# Allegro board hdk2_0-hmd-2-pvt-l8-0526p1530.brd (continued)
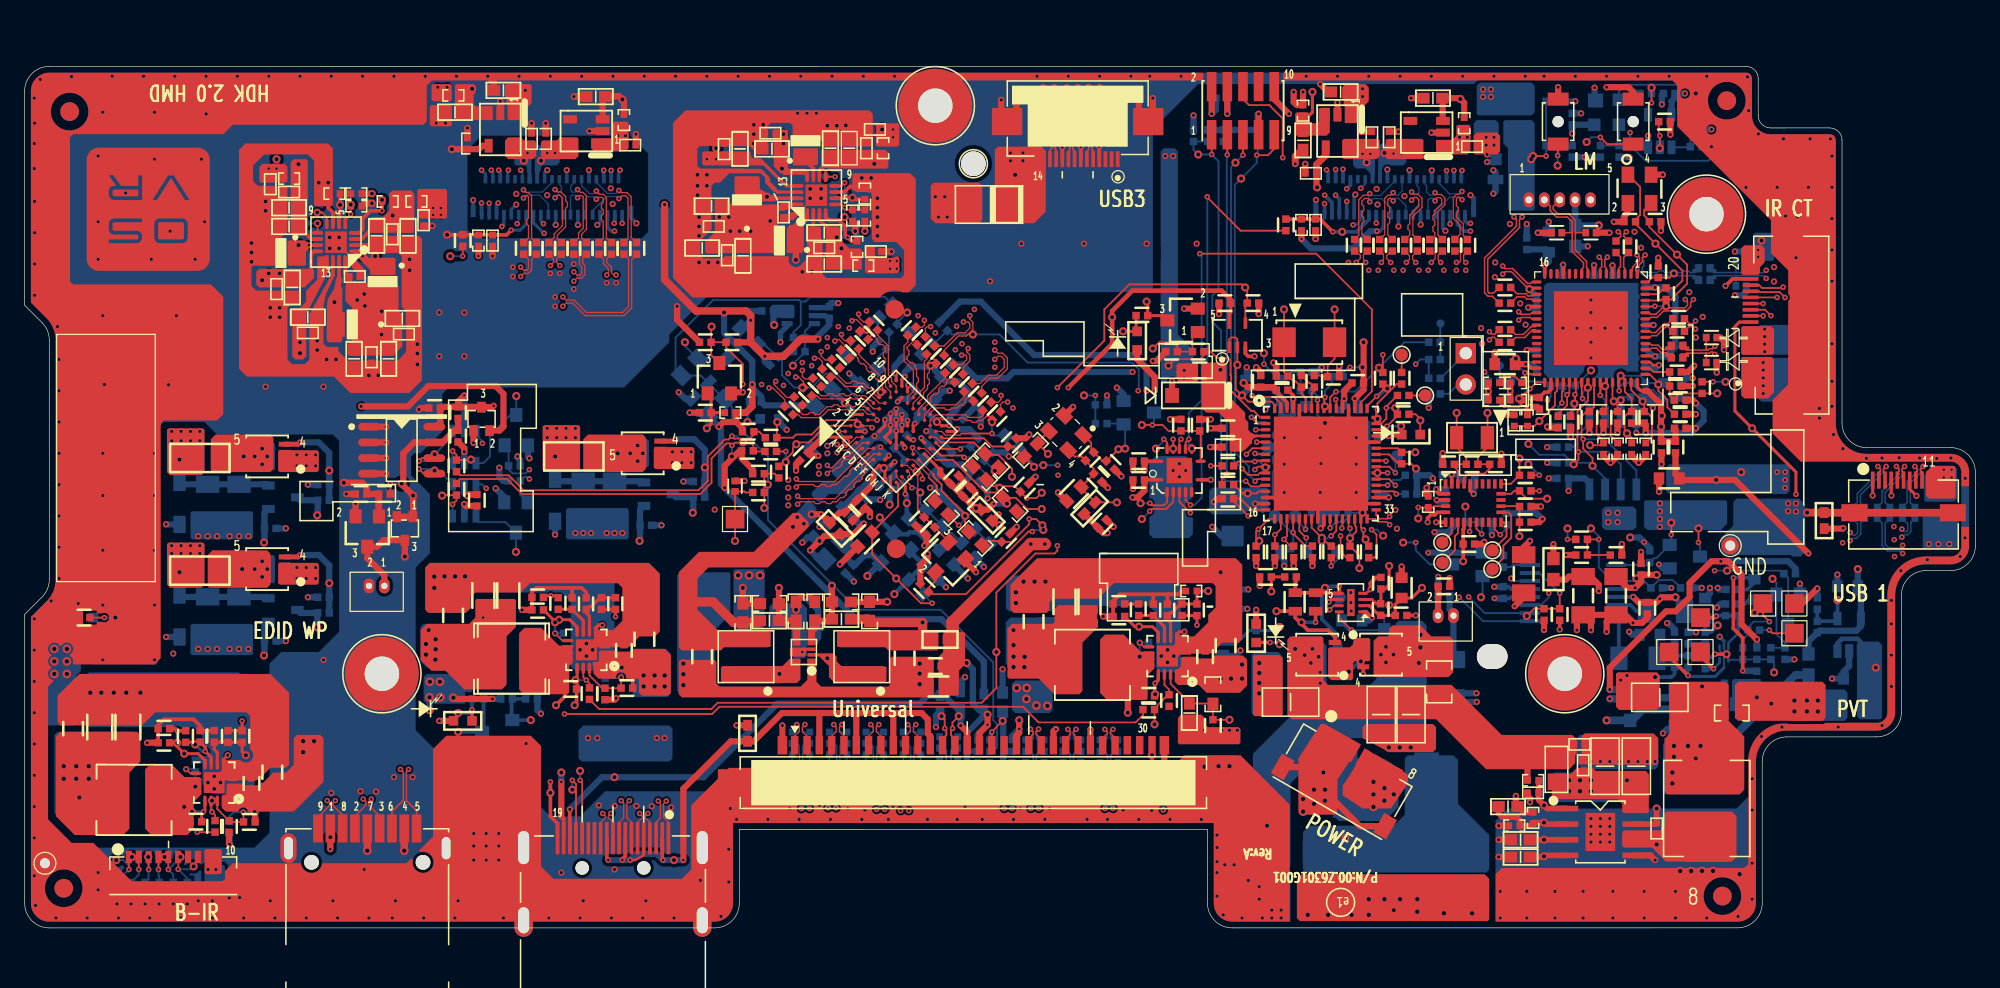
[diagram p0: board, top side]
## Nets (continued)
SWIRE_COM_R: J71.12 TP110.1 U62.9(SWIRE)
SYNC: C1000.1 J68.11 R1004.2
TEST: R524.2 U46.49(TEST)
TMDS1_CLK+: R606.2 R625.1 U6.2(LINEIN_2) U6.9(LINEOUT_2) U57.C1(HDMICP)
TMDS1_CLK+_A: J1.10 R606.1
TMDS1_CLK+_B: J28.10(TMDS_CLOCK+) R625.2
TMDS1_CLK-: R607.2 R626.1 U6.1(LINEIN_1) U6.10(LINEOUT_1) U57.C2(HDMICN)
TMDS1_CLK-_A: J1.11 R607.1
TMDS1_CLK-_B: J28.12(TMDS_CLOCK-) R626.2
TMDS1_DATA0+: R604.2 R623.1 U6.5(LINEIN_4) U6.6(LINEOUT_4) U57.D1(HDMID0P)
TMDS1_DATA0+_A: J1.7 R604.1
TMDS1_DATA0+_B: J28.7(TMDS_DATA0+) R623.2
TMDS1_DATA0-: R605.2 R624.1 U6.4(LINEIN_3) U6.7(LINEOUT_3) U57.D2(HDMID0N)
TMDS1_DATA0-_A: J1.8 R605.1
TMDS1_DATA0-_B: J28.9(TMDS_DATA0-) R624.2
TMDS1_DATA1+: R602.2 R621.1 U8.2(LINEIN_2) U8.9(LINEOUT_2) U57.E1(HDMID1P)
TMDS1_DATA1+_A: J1.4 R602.1
TMDS1_DATA1+_B: J28.4(TMDS_DATA1+) R621.2
TMDS1_DATA1-: R603.2 R622.1 U8.1(LINEIN_1) U8.10(LINEOUT_1) U57.E2(HDMID1N)
TMDS1_DATA1-_A: J1.5 R603.1
TMDS1_DATA1-_B: J28.6(TMDS_DATA1-) R622.2
TMDS1_DATA2+: R600.2 R619.1 U8.5(LINEIN_4) U8.6(LINEOUT_4) U57.F1(HDMID2P)
TMDS1_DATA2+_A: J1.1 R600.1
TMDS1_DATA2+_B: J28.1(TMDS_DATA2+) R619.2
TMDS1_DATA2-: R601.2 R620.1 U8.4(LINEIN_3) U8.7(LINEOUT_3) U57.F2(HDMID2N)
TMDS1_DATA2-_A: J1.2 R601.1
TMDS1_DATA2-_B: J28.3(TMDS_DATA2-) R620.2
TMDS1_GND: FB24.1 J1.3 J1.6 J1.9 J1.12 J28.2(TMDS_DATA2_SHIELD) J28.5(TMDS_DATA1_SHIELD) J28.8(TMDS_DATA0_SHIELD) J28.11(TMDS_CLOCK_SHIELD)
UDA1334_VDDA: C39.2 C45.2 FB9.2 U36.13(VDDA)
USB0_HUB0_RESET_R: C303.2 R336.2 R341.1 R350.1 U46.50(R\E\S\E\T\)
USB0_HUB_XTAL1: C611.1 R525.2 U46.62(XTALIN/CLK_IN) Y6.1(X1)
USB0_HUB_XTAL2: C613.1 R525.1 U46.61(XTALOUT) Y6.3(X2)
USB3_CON1_PWR: C644.2 C727.1 ESD18.1 FB61.2 FS3.2 J101.10 J101.11
USB-GND: FB62.1 J101.S1 J101.S2
USB_DM_UP: ESD14.2 L21.1 R517.2 R613.2 R632.1
USB_DM_UP_A: J1.20 R613.1
USB_DM_UP_B: J4.2(D-) R632.2
USB_DM_UP_R: L21.2 R517.1 U46.54(USB2DM_UP)
USB_DP_UP: ESD13.2 L21.4 R519.2 R614.2 R633.1
USB_DP_UP_A: J1.21 R614.1
USB_DP_UP_B: J4.3(D+) R633.2
USB_DP_UP_R: L21.3 R519.1 U46.53(USB2DP_UP)
USB_GND_CON: FB11.2 J10.4
USB_HUB2_DM4_F: R516.2 U46.25(USB2DM_DN4)
USB_HUB2_DP4_F: R518.2 U46.24(USB2DP_DN4)
USB_HUB_RST: R336.1 U12.54(PF6(ADC6))
USB_OCS1: R542.1 R580.1 U46.46(TCK/LED1/GPIO1/OCS1)
USB_OCS2: R543.1 R569.1 U46.47(TMS/GPIO3/OCS2)
USB_OCS3: R544.1 R570.1 U46.44(TDI/GPIO6/OCS3)
USB_OCS4: R545.1 R571.1 U46.43(TDO/GPIO7/OCS4)
USB_SSRXM_DN1: R732.1 U46.7(USB3DM_RXDN1)
USB_SSRXM_DN1_R: J101.6 R732.2
USB_SSRXM_DN3: R738.1 U46.23(USB3DM_RXDN3)
USB_SSRXM_DN3_R: J22.9 R738.2
USB_SSRXM_UP: R617.2 R634.2 U46.59(USB3DM_RXUP)
USB_SSRXM_UP_A: J1.26 R617.1
USB_SSRXM_UP_B: J4.5(SSRX-) R634.1
USB_SSRXP_DN1: R733.1 U46.6(USB3DP_RXDN1)
USB_SSRXP_DN1_R: J101.5 R733.2
USB_SSRXP_DN3: R739.1 U46.22(USB3DP_RXDN3)
USB_SSRXP_DN3_R: J22.8 R739.2
USB_SSRXP_UP: R618.2 R635.2 U46.58(USB3DP_RXUP)
USB_SSRXP_UP_A: J1.27 R618.1
USB_SSRXP_UP_B: J4.6(SSRX+) R635.1
USB_SSTXM_DN1: C612.2 U46.4(USB3DM_TXDN1)
USB_SSTXM_DN3: C609.2 U46.20(USB3DM_TXDN3)
USB_SSTXM_UP: C604.1 U46.56(USB3DM_TXUP)
USB_SSTXP_DN1: C614.2 U46.3(USB3DP_TXDN1)
USB_SSTXP_DN3: C610.2 U46.19(USB3DP_TXDN3)
USB_SSTXP_UP: C605.1 U46.55(USB3DP_TXUP)
USB_SW_ENN: R553.1 U12.55(PF7(ADC7))
USB_SW_OCN: R554.1 U12.27(PD1(I\N\T\1\))
USBDN_DM1: L22.4 R562.2 U46.2(USB2DM_DN1)
USBDN_DM1_CON: ESD19.1 L22.3 R562.1 R730.1
USBDN_DM1_CON_R: J101.9 R730.2
USBDN_DM2: ESD16.1 J10.2 U46.10(USB2DM_DN2)
USBDN_DM3: R736.1 U46.18(USB2DM_DN3)
USBDN_DM3_R: J22.12 R736.2
USBDN_DP1: L22.1 R563.2 U46.1(USB2DP_DN1)
USBDN_DP1_CON: ESD20.1 L22.2 R563.1 R731.1
USBDN_DP1_CON_R: J101.8 R731.2
USBDN_DP2: ESD17.1 J10.3 U46.9(USB2DP_DN2)
USBDN_DP3: R737.1 U46.17(USB2DP_DN3)
USBDN_DP3_R: J22.11 R737.2
VCI_COM_L: C724.1 J20.14 J20.15 U54.5(VOUT)
VCI_COM_R: C810.1 J71.14 J71.15 U61.5(VOUT)
VOUT_L: C161.2 U36.14(VOUTL)
VOUT_R: C174.2 U36.16(VOUTR)
VREF_DAC: C26.2 C33.2 U36.12(VREF)
XM_TCK: J6.1 R268.1 R269.2 U12.12(PB6/TCK)
XM_TDI: J6.9 R265.1 U12.11(PB5/TDI)
XM_TMS: J6.5 R266.1 U12.10(PB4/TMS)
N136794: L35.1 U62.11(LX2)
N136840: C817.1 C818.1 C819.1 R838.2 R839.1 U62.3(VO1)
N136988: R839.2 U62.4(FBS)
N137150: C824.1 C825.1 C826.1 R840.2 U62.10(VO2)
N137736: C1114.2 R1162.1 U61.3(SHDN#)
N137822: C806.2 U61.4(BYP)
N137928: C811.2 R826.1 U60.3(EN)
N138276: R841.1 U62.6(NC)
N138350: R842.2 R843.2 U62.5(SEL)
N138402: L34.2 U62.15(LX3)
N138754: L33.1 U62.1(LX1)
N138940: L32.1 U52.11(LX2)
N138968: C707.1 C708.1 C709.1 R711.2 R712.1 U52.3(VO1)
N139032: R712.2 U52.4(FBS)
N139110: C714.1 C715.1 C716.1 R713.2 U52.10(VO2)
N139598: C1113.2 R1161.1 U54.3(SHDN#)
N139680: C725.2 U54.4(BYP)
N139786: C722.2 R717.1 U53.3(EN)
N140138: R714.1 U52.6(NC)
N140212: R715.2 R716.2 U52.5(SEL)
N140276: L31.2 U52.15(LX3)
N140628: L30.1 U52.1(LX1)
N16790246: C174.1 R274.1 R278.1
N16790248: C164.2 R259.1 R278.2
N16790251: C161.1 R248.1 R255.1
N16790253: C153.2 R235.1 R255.2
N16790343: R237.1 R239.2 R247.1 U33.4(I/O4)
N16790344: C156.2 Q10.1(G) R247.2
N16792332: Q26.3(S) R759.2 U36.9(DEEM)
N16818722: C576.2 Q15.1(BASE) R461.1 R462.1
N16818915: Q15.2(EMITTER) R462.2 R463.2
N16827026: J15.2 R520.1
N16833899: C641.1 FB59.2 U50.1(IN) U50.3(NC/EN)
N16834343: R560.2 R561.1 U50.4(ADJ)
N16857962: C10.1 U4.13(BOOT)
N16857969: R25.1 U4.14(PWRGD)
N16858052: C157.1 U4.9(SS)
N16858149: C25.1 R37.2
N16863838: R529.1 R546.1 U46.45(TRST/GPIO0/LED0)
N16865654: C545.1 U29.9(SS)
N16865918: C119.1 U29.13(BOOT)
N16865930: C116.1 R193.2
N16871522: Q7.1(BASE) R450.2 R453.1
N16871556: Q7.3(COLLECTOR) R440.2
N16871558: LD8.2(T-) R440.1
N16901302: R798.2 U57.J6(A_SD2)
N16901304: R799.2 U57.J5(A_SD3)
N16901306: R797.2 U57.J8(A_SD1)
N16901407: R801.2 U57.G7(VSS#G7)
N16901409: C751.2 U57.J1(BIASDA)
N16901428: R800.1 U57.G6(IR)
N16901470: C764.1 R808.1
N16901916: C60.1 U16.13(BOOT)
N16901966: C298.1 U16.9(SS)
N16902023: R107.1 U16.14(PWRGD)
N16908781: C57.1 R91.2
N16911053: Q11.1(BASE) R316.2 R323.1
N16913522: R802.1 TP60.1 U57.G5(TEST)
N16919373: C32.2 R52.1 Y1.2(ENDB)
N16928774: R86.1 U12.13(PB7/TDO)
N16932325: R115.1 U12.23(PC7(A15)/SCK)
N16932965: R804.2 Y7.3(OSC_OUT)
N16937047: C755.2 C758.2 FB70.1 R806.1 Y7.4(VDD)
N16938201: R806.2 R1002.1 Y7.1(EN)
N16943119: C754.1 Q28.1(BASE) R807.1
N16943546: C756.1 Q28.2(EMITTER) R805.1
N16943723: C752.2 FB69.2 Q28.3(COLLECTOR)
N16949130: LD16.1(B-) R781.1
N16953061: Q29.2(G) Q29.3(D) R770.2
N16969742: C20.1 R254.1 SW1.1 U7.3(NMR)
N16977152: R313.1 R536.1 SW2.1
N16991460: Q29.6(D) R1149.1 R1150.1
N16996688: R202.1 R206.1 U29.14(PWRGD)
N16997021: R112.1 U12.30(PD4(IC1)_S\S\)
N16997723: R113.1 U12.31(PD5_MOSI)
N17002457: R75.2 U12.8(PB2/MOSI/DAC0)
N17003240: R62.1 U12.49(PF3(ADC3))
N17003241: R66.1 U12.48(PF2(ADC2))
N17003262: R67.1 U12.47(PF1(ADC1))
N17015781: TP59.1(TP) U12.7(PB1(SCK))
N17020835: LD11.2(T-) R455.1
N17020851: R455.2 U12.46(PF0(ADC0))
N17035769: TP12.1(TP) U41.15(S_SCL)
N17035770: TP13.1(TP) U41.16(S_SDA)
N17035980: TP10.1(TP) U41.7(SWDIO)
N17035997: TP11.1(TP) U41.8(SWCLK)
N17061375: TP17.1(TP) U12.40(PE4(INT4))
N17062682: R559.2 U12.43(TOSC1)
N17062685: R559.1 U12.42(TOSC2)
N17087579: R1001.2 U35.4(Y)
N17107039: C1013.2 C1014.2 D14.2(C) Q35.2(SOURCE)
N17107175: Q35.3(DRAIN) R1099.1
N17107353: Q36.4(G) R1099.2 R1101.1
N17107729: Q35.1(GATE) R1097.2
N17108159: Q36.5(D1) R1095.1
N17109329: C1015.2 C1016.2 D15.2(C) Q37.2(SOURCE)
N17109348: Q37.3(DRAIN) R1104.1
N17109368: Q38.4(G) R1104.2 R1105.1
N17109397: Q37.1(GATE) R1103.2
N17109419: Q38.5(D1) R1102.1
N17109926: C1011.2 C1012.2 D13.2(C) Q33.2(SOURCE)
N17109945: Q33.3(DRAIN) R1098.1
N17109956: Q34.4(G) R1098.2 R1100.1
N17109984: Q33.1(GATE) R1096.2
N17110016: Q34.5(D1) R1094.1
N17126690: R67.2 TP101.1(TP)
N17126693: R66.2 TP102.1(TP)
N17152263: C656.1 U51.4(SS)
N17152276: C653.1 U51.3(VREG5)
N17152282: C652.1 U51.7(VBST)
N17152292: C645.1 C647.1 C648.1 C649.1 L23.1 U51.8(VIN)
N17152305: C650.2 R565.2 R566.1 U51.2(VFB)
N17152342: C651.1 R564.2 U51.1(EN)
N17152358: C652.2 L25.1 U51.6(SW)
N17152389: C650.1 C654.1 C655.1 C726.1 L25.2 R565.1 R729.1
N17169673: C603.2 R511.2
N17169675: TP18.1(TP) U45.7(F\A\U\L\T\)
N17194923: C837.2 R848.1 R1003.2 U63.3(IN) U63.6(EN1) U63.7(EN2) U63.9(IN1)
N17195011: C836.2 R849.2 R850.1 U63.5(FB2)
N17195046: L37.1 U63.8(LX2)
N17195147: L36.1 U63.2(LX1)
N17195179: C830.2 R845.2 R846.1 U63.4(FB1)
N17195189: R844.2 R845.1
N17195330: R847.2 R849.1
N17352444: Q21.3(S) R744.2 R1150.2 U57.B4(HPDO)
N17359171: Q23.2(D) R748.2 R750.2 U55.8(OE)
N17359836: Q23.1(G) R751.1
N17370797: R745.2 U57.A4(HPDI)
N17391311: J1.30 R1004.1
N17439786: Q30.2(D) U64.1(NO)
N17441592: D12.1(A1) D12.2(A2) R1087.2 R1089.1 U65.7(WP)
N17441689: R1085.1 U64.3(NC)
N17441691: R1088.1 U66.3(NC)
N17442615: Q31.2(D) U66.1(NO)
N17443574: U64.4(COM) U65.6(SCL)
N17443583: U65.5(SDA) U66.4(COM)
N17447968: D12.3(C) J102.1 Q40.3(COLLECTOR)
N17448224: Q32.1(BASE) R1092.2 R1093.1
N17448253: Q32.3(COLLECTOR) R1091.2
N17448268: LD17.2(T-) R1091.1
N17463628: Q40.1(BASE) R1147.1 R1148.2
N17479334: Q42.1(BASE) R1154.1 R1157.1
N17484426: Q43.1(BASE) R1158.2 R1159.2
N17487205: D16.3(C) R1158.1
N17489601: Q43.3(COLLECTOR) R1155.1
N168632800: LD13.1(B-) R529.2
N168718030: LD4.2(T-) R252.1
N169110401: LD5.2(T-) R55.1
N169110490: Q11.3(COLLECTOR) R55.2

Pads without a net: D16 2; FID1 1; FID2 1; FID3 1; FID4 1; FID5 1; FID6 1; FID7 1; FID8 1; FID9 1; FID10 1; FID11 1; FID12 1; FID13 1; FID14 1; FID15 1; FID16 1; J1 18 28 29; J4 S1 S2; J6 8; J10 5; J20 10; J22 1 2 3; J28 13 14; J69 7 8; J71 10; R206 2; R797 1; R798 1; R799 1; R1001 1; U41 1 12 13 18 21 22 23 24; U46 11 12 14 15 26 27 29 30; U53 4; U55 6 9; U60 4

## Via types
v1: diameter 0.66, hole 0.33, TOP to BOTTOM, 319 vias
v2: diameter 0.457, hole 0.203, TOP to BOTTOM, 547 vias
v3: diameter 0.61, hole 0.305, TOP to BOTTOM, 104 vias
v4: diameter 0.508, hole 0.254, TOP to BOTTOM, 842 vias
v5: diameter 0.711, hole 0.356, TOP to BOTTOM, 131 vias
v6: diameter 0.559, hole 0.305, TOP to BOTTOM, 12 vias
v7: diameter 0.457, hole 0.254, TOP to BOTTOM, 4 vias

## Routing (per net, layer and track width the routed paths; a pad name or vN(x,y) marks a point on that pad's centre or on a via; arc(x,y) is an arc through that point)
1V2_VCLK: length 3.7
  TOP w0.254: U29.8 92.01,23.98 91.54,24.45 v1(90.45,24.45) 90.11,24.45 R186.1
1V2_VCOMP: length 3.4
  TOP w0.254: U29.7 92.51,24.44 C120.1 91.59,25.35 R193.1
1V2_VFB: length 6.7
  TOP w0.254: v1(96.06,27.35) R728.2 R207.1 C123.2 93.81,26.29 93.09,25.57 92.97,25.57 R199.2 92.74,25.03 93.01,24.76 U29.6
1V2_VPH: length 1.4
  TOP w0.508: v1(89.53,17.47) 89.53,18.84
1V2_VUNREG: length 19.4
  TOP w0.254: v2(95.14,24.58) R207.2 C123.1
  L3_IN1 w0.305: v2(95.14,24.58) 92.88,26.84 84.17,26.84 80.29,22.95 v5(80.26,22.95)
  vias: v1(80.26,24.17) v5(80.26,22.01) v5(80.26,21.18) v5(81.14,21.17) v5(81.16,22.01)
12V_IN: length 7.6
  TOP w0.254: U45.6 106.06,26.66 v2(105.86,26.46)
  TOP w0.508: R564.1 121.97,13.68
  L3_IN1 w0.381: v2(105.86,26.46) 105.41,26.46 104.14,25.19 104.14,23.03 v3(104.52,22.65)
  vias: v1(103.12,22.65) v3(103.88,22.14) v3(104.39,21.51) v3(105.03,22.01) v4(105.15,20.74) v4(105.15,19.86)
12V_R: length 7.5
  TOP w0.203: v2(109.22,27.48) 108.9,27.16 U45.4
  TOP w0.305: v2(109.22,27.48) 109.22,27.98 109.69,28.45 R510.1
  L3_IN1 w0.635: v2(109.22,27.48) 110.48,26.21 v3(110.48,22.82)
  vias: v1(100.83,8.3) v1(113.15,21.51) v3(110.07,22.18) v3(110.48,21.55) v3(111.09,22.18) v5(113.28,23.79) v5(113.28,22.78)
+12V: length 2.2
  BOTTOM w0.508: v1(105.41,12.62) 106.17,12.62 FS1.1
  vias: v5(109.47,11.85) v5(109.47,10.84) v5(109.47,9.82) v5(110.36,11.35) v5(110.36,10.33) v5(111.12,10.84)
+12V_F:
  vias: v1(107.18,7.28)
AVDD_11_HDMI: length 9
  TOP w0.254: U57.B2 v2(68.2,40.3) ; v2(70.13,38.34) 69.82,38.03 U57.G2
  BOTTOM w0.508: v2(68.2,40.3) v1(67.61,40.89) ; FB65.1 65.1,35.73 66.12,35.73 C740.2 67.69,37.3 C741.2 68.73,38.32 C742.2 70.12,38.34 v2(70.13,38.34)
  vias: v2(69.47,39.03)
AVDD_33_HDMI: length 19.8
  TOP w0.254: U57.G1 68.86,37.04 68.86,36.65 ; 64.81,39.84 U57.B1
  TOP w0.508: 64.81,39.84 C747.2 63.86,38.32 v2(64.41,38.32) ; v1(63.88,33.57) v2(64.64,33.57) FB67.1 66.13,33.7 C745.2 66.55,33.7 67.56,34.71 C746.2 67.59,34.74 68.86,36.01 68.86,36.65
  L4_IN2 w0.508: v2(64.41,38.32) 63.62,37.53 63.62,34.54 64.13,34.04 v2(64.64,33.57)
  BOTTOM w0.508: R762.1 63.71,39.02 v2(64.41,38.32)
AVDD_COM_L: length 35
  TOP w0.305: U52.13 24.52,53.4 22.22,49.32
  L6_IN3 w0.508: v3(22.35,47.54) 23.24,48.43 25.78,48.43 27.1,47.11 29.54,47.11 30.86,48.43 30.86,51.22 36.45,56.81 38.6,56.81 v2(38.73,56.94) 39.11,57.32 39.11,61.36 v2(39.26,61.51)
  BOTTOM w0.254: v2(39.26,61.51) 39.2,61.45 J20.8 ; v2(38.73,56.94) 38.9,57.11 J20.7
  vias: v1(22.35,46.65)
AVDD_COM_R: length 63.7
  TOP w0.254: C828.1 58.33,62.2 59.84,62.2 61.81,60.23 U62.13
  L3_IN1 w0.635: v2(55.37,62.4) v2(56.13,62.4) 68.3,62.4 72.23,58.46 103.31,58.46 103.79,57.98 106.32,57.98 107.3,58.96 v2(107.3,58.97) v2(107.3,60)
  BOTTOM w0.305: J71.8 107.6,60.3 v2(107.3,60) ; J71.7 v2(107.3,58.97)
  BOTTOM w0.508: v1(56.13,63.29) v2(56.13,62.4)
AVDD_EN_COM_L: length 21
  TOP w0.152: v3(23.75,58.08) 24.13,58.08 24.52,57.69 U52.8
  L3_IN1 w0.152: v3(23.75,58.08) 24.76,57.07 31.87,57.07 32.89,56.05 36.45,56.05 37.97,57.57 39.57,57.57 v2(39.97,57.17)
  BOTTOM w0.114: v2(39.97,57.17) 40.1,57.3 J20.11
  BOTTOM w0.152: TP51.1 v3(23.75,58.08)
AVDD_EN_COM_R: length 46
  TOP w0.152: U62.8 66.28,60.23 v2(66.54,60.5)
  L3_IN1 w0.152: v2(107.82,57.07) 102.08,57.07 101.76,56.75 72.68,56.75 69.57,59.86 67.18,59.86 v2(66.54,60.5)
  BOTTOM w0.152: v2(107.82,57.07) 108.07,57.07 108.5,57.49 J71.11 ; TP111.1 v2(66.54,60.5)
DGND: length 433.9
  TOP w0.102: v3(63.75,59.23) 63.75,58.97 63.38,58.6 63.38,58.6 63.19,58.41 63.19,58.41 62.99,58.21 62.99,58.21 62.86,58.21
  TOP w0.152: 26.92,54.02 25.78,55.16 v3(25.52,55.16)
  TOP w0.254: J101.7 152.99,35.62 v4(153.54,35.07) ; v4(149.98,35.1) 149.99,35.1 J101.1 ; U57.E7 v2(71.19,41.65) ; 57.86,61.44 59.76,61.44 60.3,60.9 60.3,60.55 61.11,59.73 U62.14 ; 70.74,41.68 v2(70.74,42.13) ; U29.5 93.51,23.83 93.72,24.05 v4(94.13,24.05) ; U57.C9 v2(70.85,42.72) ; U57.F7 v2(71.65,41.19) ; U57.D6 v2(70.28,41.75) ; v4(16.48,14.01) 16.14,13.67 U4.5 ; U57.F4 U57.E4 U57.E5 v2(70.28,40.81) ; v2(69.8,36.34) 69.82,36.36 U57.H1 ; v4(70.61,45.03) 70.74,44.9 U57.A10 ; J101.4 151.49,35.11 v4(151.51,35.1) ; v2(75.69,40.51) 75.64,40.51 75.43,40.3 U57.K10 ; 70.74,38.92 U57.F5 v2(70.74,40.35) ; U57.F6 v2(71.2,40.81) ; 69.36,40.3 U57.D5 v2(69.82,41.26) ; U57.E6 v2(70.74,41.24)
  TOP w0.305: 92.83,27.08 93.62,27.08 93.89,27.35 R728.1 ; 92.83,27.08 91.56,27.08 ; 92.83,27.08 92.74,26.99 R199.1 ; 91.56,27.08 88.88,27.08 88.34,26.54 C116.2 R186.2 ; 91.56,27.08 91.6,27.04 C120.2 ; R513.2 v4(112.9,25.37) ; 44.45,27.6 45.21,27.6 45.58,27.23 R106.1 ; 44.45,27.6 41.53,27.6 41.17,27.25 C57.2 R84.2 ; 44.45,27.6 44.43,27.59 C61.2 ; U55.7 v4(96.26,36.38) ; R30.1 14.24,16.02 C23.2 14.24,16.41 13.71,16.93 11.3,16.93 10.83,16.46 C25.2 R41.2 ; U12.14 101.82,34.94 v4(102.23,35.35) ; 67.37,60.18 66.96,60.18 66.51,59.73 U62.7 ; U45.1 108.87,25.66 v4(109.34,25.19) ; v4(102.23,39.79) 103.45,41.02 U12.60 ; U12.52 107.45,40.42 v4(108.07,39.79) 108.43,39.44 U12.44 ; v4(108.07,35.35) 108.99,34.44 U12.34 ; U52.7 25.02,58.08 24.63,58.46 24.63,58.72 ; v4(138.05,52.11) 138.61,52.68 J68.18 ; U41.2 114.79,35.24 114.55,35.48 v4(114.55,35.6) ; J22.4 v4(87.22,63.44) ; U41.5 114.66,33.74 114.46,33.53 114.13,33.53 113.86,33.27 v4(113.86,32.94) ; J22.10 v4(84.22,63.39) ; U52.14 25.02,53.01 25.02,53 23.87,50.59 23.76,50.3 C718.2 ; 28.83,55.8 28.32,55.8 27.94,55.42 U52.2 ; U12.24 104.95,35.15 v4(105.15,35.35) ; J22.7 v4(85.72,63.42) ; v4(46.88,24.58) 46.61,24.58 46.34,24.31 U16.5 ; v4(114.56,32.93) U41.6 ; U41.25 117.32,35.5 v4(117.6,35.22) ; U111.3 99.07,46.64 99.31,46.4 v4(99.82,46.4) ; R92.2 v4(124.58,24.22) ; 64.39,55.92 64.39,56.43 64.01,56.81 U62.2
  TOP w0.508: v4(112.52,67.35) C811.1 ; v4(35.68,38.65) 35.68,38.94 R1089.2 ; U65.3 v4(29.33,38.14) ; v4(66.16,29.51) C761.2 ; C723.1 38.08,68.64 v4(37.59,69.13) ; C303.1 v4(135.38,43.99) ; C33.1 v4(131.19,30.52) ; v4(83.87,35.35) C758.1 ; C725.1 v4(35.94,64.94) ; v4(115.1,38.52) C582.1 ; R850.2 62.98,26.84 v4(63.37,26.84) 63.76,26.84 R846.2 ; SW2.2 v4(124.46,68.24) ; v4(137.92,46.93) 137.92,47.62 137.61,47.92 ESD14.1 ; R571.2 128.14,38.33 v4(128.71,37.76) 129.28,38.33 R570.2 ; R566.2 v4(119.63,8.3) ; R522.1 v4(125.47,39.87) ; C613.2 v4(132.8,56.6) ; C32.1 v4(106.69,45.59) ; v4(104.77,55.92) C807.1 ; U65.2 v4(29.33,39.41) ; C584.2 118.28,31.16 v4(118.46,31.34) ; Y7.2 v4(85.09,42.29) ; R1147.2 v4(26.11,35.22) ; J6.10 101.42,67.28 v4(102.61,66.08) ; 128.98,25.42 C45.1 ; 128.98,25.42 C26.1 129.87,25.42 v4(130.53,24.76) 131.26,24.76 131.7,25.19 C39.1 ; 128.98,25.42 128.39,24.83 v4(128.39,24.05) ; C45.1 127.12,24.78 v4(127.12,24.17) ; C45.1 125.98,24.91 v4(125.98,24.17) ; C48.1 121.66,30.9 v4(122.17,31.41) ; v4(94.1,50.27) Q32.2 ; C1009.1 32.13,42.21 v4(32,42.08) ; R84.2 v4(40.37,25.82) ; J1.S2 v4(92.5,13) ; C737.1 C739.1 76.81,35.7 77.16,35.35 v4(77.16,35.04) ; v4(147.6,32.45) 147.56,32.41 FB62.2 ; v3(28.19,58.82) 27.61,58.82 R716.1 ; v3(67.41,56.56) 67.41,57.14 R843.1 ; C627.1 122.77,42.28 v4(122.17,42.28) 121.97,42.08 R583.2 ; v4(9.95,15.03) 9.95,15.03 R41.2 ; R252.2 v4(4.35,26.33) ; SW1.2 130.55,67.86 130.17,68.24 v4(128.39,68.24) ; C820.2 v4(70.35,54.91) ; C656.2 v4(119.63,5.76) ; R340.2 v4(129.63,31.16) ; v4(79.26,67.21) 79.26,65.82 79.62,65.45 J22.S2 80.14,65.45 80.49,65.81 v4(80.49,67.2) ; J1.S1 v4(61.5,16.43) ; v4(132.84,37.64) R515.1 ; C5.1 16.58,6.83 v4(16.63,6.77) ; v4(105.15,68.5) 105.79,67.86 C805.1 ; v4(57.27,9.7) 57.27,11.33 57.67,11.73 58.16,11.24 v4(58.16,9.7) ; R579.2 v4(120.57,43.58) R578.2 ; v4(35.68,34.41) 35.85,34.24 C1010.1 ; v4(88.37,32.56) C757.1 ; C806.1 v4(103.93,62.02) ; Q42.2 57.43,43.48 v4(58.29,43.48) ; C724.2 v4(41.14,65.32) ; v4(135.63,41.7) R524.1 ; TP38.1 144.27,26.33 v4(145.49,27.55) ; C209.1 100.33,45.13 v4(99.95,45.51) ; C701.1 v4(37.97,54.53) ; J1.22 83.5,15.96 83.69,16.15 v2(83.69,16.12) ; v4(122.17,10.2) 122.17,10.51 121.97,10.71 C651.2 ; C144.2 v4(96.21,39.03) ; C653.2 v4(119.63,7.16) ; v4(93.13,44.37) D6.A ; C759.2 81.23,39.75 v4(81.53,40.05) ; C810.2 v4(108.45,64.64) ; Q40.2 v4(26.86,34.46) ; J69.S2 7.04,3.81 6.7,3.47 ; Y6.4 v4(132.95,61.14) ; C1112.1 52.96,49.36 v4(52.96,50.46) ; R222.2 v4(96.26,40.56) ; C733.1 v4(89.95,35.64) ; R750.1 v4(96.26,41.28) ; J1.25 v4(86.5,16.11) ; R350.2 135,45.13 v2(135.51,45.64) ; R548.2 v4(115.66,28.4) ; C1002.2 v4(80.51,32.56) ; v4(68.6,33.37) 68.6,33.77 68.3,34.08 C746.1 C745.1 ; U65.1 v4(29.33,40.68) ; R569.2 131.57,38.33 v4(131,37.76) 130.43,38.33 R580.2 ; U54.2 v4(38.6,67.1) ; R472.2 v4(123.06,34.21) ; v4(87.53,25.28) R186.2 ; v4(91.56,67.35) 91.56,65.82 J22.S1 90.73,65.45 90.42,65.76 v4(90.42,67.35) ; ESD21.2 v4(58.42,36.28) ; v4(53.97,41.83) R1157.2 ; C710.2 v4(33.09,56.99) ; R1002.2 v4(89.01,36.66) ; ESD16.2 v4(122.81,56.43) ; v4(57.78,16.44) FB24.2 ; v4(62.61,37.13) 62.61,37.64 C747.1 ; C732.2 v4(89.95,37.17) ; C1111.1 v4(96.94,49.83) ; R1093.2 91.86,46.02 v4(91.56,46.02) ; C809.1 v4(111.5,64.64) ; C632.2 v4(111.76,29.33) ; C1001.2 v4(82.04,36.62) ; v5(96.9,13.12) 96.9,12.06 96.57,11.73 96.32,11.73 95.76,12.29 v5(95.76,13.09) ; C638.1 v4(132.65,35.41) ; v4(132.58,54.4) R523.1 ; v4(17.45,2.46) 17.45,3.41 17.06,3.81 J69.S1 16.61,3.45 v4(16.61,2.44) ; C72.1 47.88,18.52 v4(48,18.65) ; C755.1 v4(87.91,35.73) ; v4(96.34,66.08) J6.2 ; C31.1 101.58,45.65 v4(101.34,45.89) ; v4(128.62,56.43) ESD17.2 ; U61.2 v4(106.55,67) ; C722.1 v4(44.57,67.48) ; U65.4 v4(29.33,36.87) ; v4(119.31,46.73) C624.2 ; C583.1 v4(119.85,38.49) ; U53.2 v4(45.84,64.69) ; v4(137.33,45.08) ESD13.1 ; C720.1 v4(49.6,64.43) ; v4(128.98,57.32) C611.2 129.8,57.77 130.12,58.08 Y6.2 ; C721.1 v4(42.29,65.32) ; U60.2 v4(114.17,64.56) ; C603.1 v4(100.24,27.77) ; U51.5 131.95,5.89 v4(132.33,5.5) ; R1146.2 v4(100.16,49.83)
  TOP w0.559: v4(103.12,62.02) 103.12,62.65 103.62,63.15 C1114.1
  TOP w0.61: J4.4 v5(30.81,6.27) ; J4.7 v5(27.81,6.27)
  L3_IN1 w0.508: v4(46.88,24.58) 45.65,25.82 v4(40.37,25.82) ; v4(94.13,24.05) 92.89,25.28 v4(87.53,25.28) ; v4(16.48,14.01) 15.47,15.03 v4(9.95,15.03) ; v4(63.37,26.84) 69.21,26.84 71.12,24.94 71.12,20.62 71.95,19.78 v5(72.64,19.78)
  BOTTOM w0.203: 137.92,23.28 U33.2
  BOTTOM w0.254: J20.18 42.2,61.3 v4(42.41,61.51) ; v4(76.32,9.82) 76.32,10.71 76.58,10.97 U34.2 ; v4(46.48,57.07) 46.7,57.29 J20.33 ; J20.27 v4(44.9,57.07) ; J20.30 v4(45.8,61.51) ; J20.9 39.5,58.32 v4(39.9,58.72) ; J20.21 v4(43.1,57.07) ; J20.24 v4(44,61.51)
  BOTTOM w0.305: v4(115.31,56.58) 115.1,56.8 J71.33 ; v4(130.53,24.76) 130.53,25.01 129.97,25.56 U36.15 ; J20.S2 v4(36.4,59.07) ; v4(130.81,40.18) U47.4 ; J71.9 107.9,59.43 v4(108,59.53) ; J71.18 v4(110.6,61.56) ; J71.30 v4(114.2,61.49) ; v4(137.56,23.64) 137.92,23.28 ; U36.5 120.65,27.51 120.46,27.69 C229.1 ; J20.S1 49.2,57.65 v4(49.65,57.19) ; J71.24 v4(112.4,61.51) ; J71.27 v4(113.3,57.09) ; J71.21 v4(111.5,56.94)
  BOTTOM w0.381: v4(64.51,13.38) U8.8 U8.3 v4(64.51,9.95) ; v4(70.48,13.38) U6.8 U6.3 v4(70.48,9.82) ; v4(117.34,59.48) 117.6,59.23 J71.S1 ; J71.S2 v4(104.8,59.1)
  BOTTOM w0.432: R791.1 65.07,50.35 Q29.4 ; Q29.1 61.89,48.85 61.34,48.3 v4(61.34,47.54)
  BOTTOM w0.508: v4(68.98,39.92) C742.1 68.07,38.98 C741.1 66.85,37.76 66.82,37.76 C740.1 ; ESD5.2 75.94,19.98 v4(76.32,20.36) ; v4(126.87,55.33) FB11.1 ; v4(69.44,34.74) 69.39,34.79 C736.1 ; ESD20.2 139.74,54.61 139.44,54.91 v4(138.81,54.91) ; v4(144.08,27.95) Q10.3 144.08,26.93 ; v4(135.38,44.62) 134.86,44.62 LD13.2 ; v4(102.23,29.38) 102.23,29.89 101.8,30.32 R1160.2 ; v4(64.51,32.56) 64.84,32.89 C753.2 ; v2(70.85,42.72) 71.08,42.94 C738.1 ; v4(66.04,50.72) 65.44,50.72 R791.1 ; v4(70.61,45.03) 70.61,45.62 C748.1 ; C744.1 C743.1 73.53,40.33 v4(73.17,40.33) ; R286.1 v4(136.9,63.42) ; R802.2 70.58,40.3 70.68,40.3 v2(70.74,40.35) ; R274.2 130.48,23.79 v4(130.22,24.05) ; R196.1 16.63,7.7 v4(16.63,6.77) ; v4(68.83,46.78) 68.83,47.16 69.27,47.6 R1159.1 ; v4(133.3,24.74) 133.41,24.74 133.91,24.25 C164.1 ; 74.05,28.38 v4(74.77,27.65) ; v4(119.2,61.51) 119.38,61.33 ESD8.2 119.38,59.78 v4(119.2,59.61) ; v4(137.41,27.6) 137.54,27.48 R465.1 ; C602.2 109.11,24.96 v4(109.34,25.19) ; v4(125.47,39.87) 125.47,39.79 125.4,39.87 R582.2 ; C20.2 v4(130.25,62.57) ; v4(137.33,26) 137.63,26.29 R547.1 ; R1101.2 v4(22.98,26.84) ; C42.N 97.14,31.81 v4(96.39,32.56) ; v4(67.31,28.11) 66.62,28.79 C752.1 ; R269.1 v4(94.87,65.96) ; C615.1 v4(123.69,36.49) ; C731.1 143.51,54.65 v4(143.76,54.4) ; R323.2 41.61,17.68 v4(41.91,17.39) ; R1105.2 v4(22.98,35.98) ; v4(96.34,66.08) 96.68,66.43 C159.1 ; v4(119.08,31.88) C633.2 ; v2(71.2,40.81) 71.11,40.81 R800.2 ; v4(88.64,43.86) 89.19,43.31 Q23.3 ; LD16.2 61.2,41.08 v4(61.85,40.43) ; FB23.2 73.96,17.22 v4(73.96,16.3) ; v4(118.69,62.17) 119.31,62.17 119.44,62.3 C255.1 119.44,62.43 119.08,62.78 v4(118.69,62.78) ; C579.2 115.27,35.6 v4(114.55,35.6) ; U7.1 127.41,67.25 v4(127.41,68.21) ; v4(132.97,15.79) 133.32,16.15 C576.1 ; C751.1 70.48,36.7 70.12,36.34 v2(69.8,36.34) 69.39,35.94 C735.1 ; C157.2 14.83,13.61 ; C156.1 v4(143.63,21.8) ; v4(126.32,66.12) C18.1 ; v4(77.59,40.68) 77.59,42.08 77.27,42.41 C750.1 C749.1 ; C153.1 135.65,24.01 v4(135.66,24) ; v4(117.83,19.05) 116.33,19.05 C577.1 116.3,18.35 v4(117.85,18.35) ; v4(75.08,43.6) 74.57,43.6 R801.1 ; U66.2 v4(35.68,34.41) ; C578.2 v4(114.72,28.49) ; Q43.2 67.84,44.09 v4(66.93,45) ; C729.1 v4(15.24,2.2) ; C580.1 115.06,38.49 v4(115.1,38.52) ; v4(53.08,43.48) 53.58,42.98 ESD22.2 ; v4(119.27,27.69) C229.1 ; v4(138.81,51.35) 139.44,51.35 139.74,51.65 ESD19.2 ; R248.2 136.78,27.16 v4(136.78,27.6) ; C169.1 132.88,67.61 v4(132.88,66.85) ; R1100.2 v4(53.46,36.24) ; v4(63.37,26.84) 64.4,25.81 R848.2 64.4,23.59 C837.1 ; R561.2 v4(145.49,27.55) ; U64.2 v4(35.68,38.65) ; v4(146.68,20.24) C641.2 147.63,20.81 148.08,21.25 U50.2 ; v4(117.6,35.22) 117.6,36.28 C581.2 ; Q11.2 v4(40.7,14.97) ; U35.3 v4(131.76,64.31) ; C754.2 v4(76.55,28.36) ; C764.2 v4(77.85,29.31) ; C306.1 104.43,34.68 ; C629.2 v4(123.69,57.32) ; C760.2 76.68,40.48 75.71,40.48 v2(75.69,40.51) ; v4(73.48,35.73) 73.73,35.73 C763.2 75.64,33.83 C762.2 ; R453.2 v4(99.23,25.9) ; C625.1 v4(121.92,57.14) ; R87.2 v4(136.12,27.6) ; Q7.2 98.23,22.08 v4(98.68,22.52) ; C244.2 v4(125.85,67.1) ; C1000.2 v4(91.47,9.54) ; C642.2 v4(147.13,28.68)
  vias: v2(39.62,53.64) v2(39.62,52.88) v2(42.67,53.13) v2(43.05,51.22) v2(43.05,50.46) v2(43.43,53.13) v2(44.57,53.89) v2(44.57,51.86) v2(47.24,52.37) v2(48,52.37) v2(59.81,44.11) v2(61.59,44.04) v2(61.97,45) v2(63.12,45.89) v2(63.88,45.64) v2(65.15,47.92) v2(65.15,47.16) v2(66.04,48.81) v2(66.93,48.68) v2(68.32,50.08) v2(72.51,49.7) v2(73.91,48.3) v2(75.54,46.93) v2(75.64,48.84) v2(76.07,47.41) v2(77.09,50.21) v2(78.74,47.54) v2(78.74,45.51) v2(78.74,43.6) v2(80.21,42.21) v2(107.44,54.02) v2(109.09,53.38) v2(109.85,53.38) v2(111.12,53.38) v2(111.88,53.38) v2(113.15,53.38) v2(113.92,53.38) v2(115.19,53.38) v2(116.2,53.38) v2(116.96,53.38) v2(147.55,31.26) v2(151.71,32.58) v2(151.74,31.51) v2(151.76,30.14) v3(18.41,55.59) v3(18.41,54.83) v3(18.41,54.07) v3(19.55,58.97) v3(19.55,58.21) v3(19.94,50.34) v3(19.94,49.57) v3(20.7,50.34) v3(20.7,49.57) v3(23.75,47.67) v3(23.75,46.91) v3(23.87,60.5) v3(24.51,46.14) v3(24.63,60.5) v3(24.76,56.05) v3(24.76,55.16) v3(25.27,46.14) v3(25.52,56.05) v3(27.94,44.85) v3(28.7,44.85) v3(31.24,54.27) v3(31.24,53.38) v3(31.87,47.39) v3(31.87,46.63) v3(31.87,45.74) v3(54.61,61.13) v3(54.61,60.24) v3(54.61,59.48) v3(54.73,57.7) v3(54.73,56.94) v3(54.73,56.18) v3(54.73,54.02) v3(55.37,61.13) v3(55.37,60.24) v3(55.5,54.02) v3(56.26,54.02) v3(59.18,65.19) v3(59.18,64.43) v3(59.18,63.67) v3(59.94,65.19) v3(63.12,53.26) v3(63.75,59.99) v3(63.88,53.26) v3(64.64,59.99) v3(64.64,59.23) v3(65.15,65.12) v3(65.91,65.12) v3(66.65,65.14) v3(67.94,60.88) v3(68.7,60.88) v3(69.21,59.23) v3(69.21,58.46) v3(69.21,57.7) v3(69.21,56.94) v3(69.21,56.18) v4(0.78,67.35) v4(0.81,65.32) v4(0.78,63.67) v4(0.78,61.64) v4(0.81,58.97) v4(0.81,56.43) v4(0.81,53.89) v4(0.81,51.35) v4(0.78,25.09) v4(0.78,22.55) v4(0.78,20.01) v4(0.78,17.47) v4(0.78,14.93) v4(0.78,12.39) v4(0.78,9.85) v4(0.78,7.31) v4(0.78,4.23) v4(0.89,1.82) v4(1.27,68.88) v4(2.16,26.54) v4(2.54,0.81) v4(2.66,48.81) v4(2.79,46.14) v4(2.79,43.6) v4(2.79,41.06) v4(2.79,38.52) v4(2.79,35.98) v4(2.79,33.44) v4(2.79,30.9) v4(2.79,28.36) v4(3.81,69.11) v4(5.08,0.81) v4(5.97,62.65) v4(5.97,57.32) v4(5.97,54.27) v4(5.97,4.49) v4(5.97,3.09) v4(6.35,66.21) v4(6.35,49.7) v4(6.35,38.52) v4(6.35,35.1) v4(6.35,30.65) v4(6.35,26.21) v4(6.35,21.76) v4(6.47,44.11) v4(7.11,69.13) v4(7.49,1.95) v4(7.62,0.81) v4(8.2,59.66) v4(8.63,1.95) v4(9.65,69.13) v4(9.78,1.95) v4(10.16,0.81) v4(10.28,54.27) v4(10.54,66.21) v4(10.54,62.4) v4(10.54,38.52) v4(10.54,35.1) v4(10.54,30.65) v4(10.54,26.21) v4(10.54,21.76) v4(10.92,1.95) v4(11.68,44.09) v4(11.81,56.56) v4(12.06,1.95) v4(12.19,69.13) v4(12.32,49.7) v4(12.7,0.81) v4(13.2,1.95) v4(13.84,54.27) v4(14.09,31.79) v4(14.09,22.65) v4(14.09,2.2) v4(14.35,62.4) v4(14.6,57.32) v4(14.73,69.13) v4(14.73,66.08) v4(14.86,31.79) v4(14.86,22.65) v4(15.24,0.81) v4(15.62,31.79) v4(15.62,22.65) v4(16.63,31.79) v4(16.63,22.65) v4(17.27,69.13) v4(17.4,31.79) v4(17.4,22.65) v4(17.78,0.81) v4(18.16,31.79) v4(18.16,22.65) v4(19.55,43.93) v4(19.81,69.13) v4(19.94,2.2) v4(20.32,0.81) v4(22.09,38.4) v4(22.09,37.51) v4(22.09,29.25) v4(22.09,28.36) v4(22.35,69.13) v4(22.86,38.4) v4(22.86,37.51) v4(22.86,29.25) v4(22.86,28.36) v4(22.86,0.81) v4(23.62,38.4) v4(23.62,37.51) v4(23.62,29.25) v4(23.62,28.36) v4(24.25,43.93) v4(24.25,21.76) v4(24.89,69.13) v4(24.89,10.97) v4(25.02,2.2) v4(25.4,0.81) v4(27.25,11.09) v4(27.43,69.13) v4(27.56,4.74) v4(27.94,0.81) v4(28.52,11.07) v4(29.84,0.81) v4(29.97,69.13) v4(29.97,12.24) v4(30.1,2.2) v4(31.49,12.24) v4(32.38,0.81) v4(32.51,69.13) v4(33.4,65.32) v4(33.65,49.95) v4(33.65,46.4) v4(34.16,65.32) v4(34.92,0.81) v4(35.05,69.13) v4(35.18,2.2) v4(35.68,49.95) v4(35.68,46.4) v4(36.45,7.66) v4(36.45,6.65) v4(36.45,5.5) v4(37.46,7.66) v4(37.46,6.65) v4(37.46,5.5) v4(38.48,7.66) v4(38.48,6.65) v4(38.48,5.5) v4(38.86,0.81) v4(39.9,59.58) v4(40.13,69.13) v4(42.41,59.48) v4(42.54,0.81) v4(42.67,69.13) v4(43.56,4.49) v4(44.7,32.05) v4(45.08,0.81) v4(45.21,69.13) v4(45.34,32.05) v4(45.34,2.2) v4(45.72,15.41) v4(45.97,32.05) v4(46.48,15.41) v4(46.61,9.95) v4(47.24,32.05) v4(47.57,60.04) v4(47.62,0.81) v4(47.72,58.77) v4(47.75,69.13) v4(47.88,32.05) v4(47.88,9.9) v4(47.88,4.74) v4(48.51,32.05) v4(49.65,9.9) v4(50.16,0.81) v4(50.29,69.13) v4(50.42,2.2) v4(50.9,9.87) v4(51.3,15.41) v4(51.94,15.41) v4(52.47,9.77) v4(52.57,38.65) v4(52.57,37.76) v4(52.7,0.81) v4(52.83,69.13) v4(53.34,38.65) v4(53.34,37.76) v4(54.1,38.65) v4(54.1,37.76) v4(54.84,3.86) v4(55.37,69.13) v4(56.51,0.93) v4(57.15,6.39) v4(57.15,3.73) v4(57.78,8.81) v4(57.91,69.13) v4(60.32,8.81) v4(60.45,69.13) v4(61.62,13.28) v4(61.97,36.37) v4(61.97,35.73) v4(61.97,34.94) v4(61.97,34.31) v4(62.1,9.7) v4(62.73,66.13) v4(62.86,8.81) v4(62.99,69.13) v4(63.5,66.13) v4(64.26,66.13) v4(64.46,37.48) v4(64.46,36.87) v4(65.15,39.13) v4(65.15,38.52) v4(65.4,8.81) v4(65.53,69.13) v4(66.8,9.7) v4(67.56,13.38) v4(67.94,8.81) v4(68.07,69.13) v4(68.2,9.57) v4(70.1,8.81) v4(70.61,69.13) v4(73.28,8.81) v4(73.91,59.35) v4(74.16,57.7) v4(74.67,59.35) v4(74.88,57.7) v4(75.69,8.81) v4(77.72,8.81) v4(78.36,52.49) v4(80.26,8.81) v4(80.82,9.7) v4(80.9,55.54) v4(82.17,69.13) v4(82.67,68.24) v4(82.8,8.81) v4(83.18,9.7) v4(83.56,68.24) v4(84.58,68.24) v4(84.71,69.13) v4(85.47,68.24) v4(85.98,55.54) v4(86.23,8.81) v4(86.36,68.27) v4(86.74,11.47) v4(86.74,10.2) v4(87.25,69.13) v4(87.25,68.27) v4(87.88,8.81) v4(89.15,9.57) v4(89.79,69.13) v4(90.42,8.81) v4(91.06,55.54) v4(91.31,69.13) v4(92.96,8.81) v4(93.85,69.13) v4(95.12,55.54) v4(95.5,8.81) v4(95.75,16.05) v4(96.77,7.54) v4(96.77,6.52) v4(96.77,5.38) v4(96.77,4.49) v4(96.77,2.58) v4(97.15,16.05) v4(97.28,1.06) v4(97.41,5.12) v4(97.79,16.05) v4(98.17,5.12) v4(98.42,16.05) v4(98.8,0.81) v4(99.31,3.85) v4(100.2,3.35) v4(100.2,2.33) v4(100.45,0.81) v4(101.22,1.44) v4(101.22,0.81) v4(101.98,1.44) v4(101.98,0.81) v4(102.23,37.64) v4(104.01,69.13) v4(105.15,39.79) v4(105.2,37.69) v4(106.55,69.13) v4(107.64,27.22) v4(107.64,26.41) v4(107.67,25.72) v4(108.07,37.64) v4(109.09,69.13) v4(109.72,59.99) v4(109.8,58.72) v4(111.25,33.93) v4(111.38,32.4) v4(111.63,69.13) v4(111.99,59.4) v4(114.17,69.13) v4(116.71,69.13) v4(118.2,48.69) v4(118.28,47.41) v4(118.61,64.18) v4(118.61,63.54) v4(119.25,69.13) v4(119.25,64.18) v4(119.25,63.54) v4(119.33,52.82) v4(119.35,54.02) v4(119.76,2.96) v4(119.76,0.81) v4(120.54,57.14) v4(121.38,50.69) v4(121.79,69.13) v4(121.81,48.96) v4(121.92,2.96) v4(121.92,0.81) v4(123.31,69.13) v4(124.2,2.96) v4(124.2,0.81) v4(124.84,48.68) v4(125.85,69.13) v4(125.98,48.68) v4(126.49,2.96) v4(126.49,0.81) v4(127.12,50.97) v4(127.12,49.95) v4(127.12,48.68) v4(127.12,47.54) v4(127.12,46.27) v4(127.12,13.51) v4(127.12,8.87) v4(127.12,8.24) v4(127.12,7.6) v4(127.12,6.97) v4(127.89,13.51) v4(127.89,8.87) v4(127.89,8.24) v4(127.89,7.6) v4(127.89,6.97) v4(128.27,48.68) v4(128.39,69.13) v4(128.52,33.7) v4(128.52,32.94) v4(128.65,13.51) v4(128.65,8.87) v4(128.65,8.24) v4(128.65,7.6) v4(128.65,6.97) v4(128.9,2.96) v4(128.9,0.81) v4(129.28,33.7) v4(129.28,32.94) v4(129.41,13.51) v4(129.54,48.68) v4(129.54,20.11) v4(130.04,20.49) v4(130.17,13.51) v4(130.65,56.51) v4(130.93,69.13) v4(130.93,13.51) v4(131.19,55.21) v4(131.44,2.96) v4(131.44,0.81) v4(131.7,13.51) v4(132.33,13.51) v4(133.47,69.13) v4(133.98,2.96) v4(133.98,0.81) v4(135.1,51.61) v4(135.63,47.92) v4(136.19,49.6) v4(136.52,69.13) v4(136.52,0.81) v4(139.06,0.93) v4(139.7,60.11) v4(139.82,69.08) v4(139.93,66.34) v4(140.2,12.11) v4(140.2,9.57) v4(140.2,5.25) v4(140.2,2.33) v4(140.71,64.46) v4(140.97,15.54) v4(141.22,48.61) v4(141.22,48) v4(141.22,47.39) v4(141.22,46.78) v4(141.98,53.64) v4(141.98,52.47) v4(142.24,60.11) v4(142.62,16.3) v4(142.74,64.05) v4(142.91,57.79) v4(143.13,34.46) v4(143.13,33.83) v4(143.76,34.46) v4(143.76,33.8) v4(143.88,57.75) v4(144.78,60.11) v4(144.9,64.05) v4(145.67,42.17) v4(145.67,41.39) v4(146.55,64.05) v4(146.68,62.65) v4(146.68,60.11) v4(146.68,57.57) v4(146.68,55.03) v4(146.68,52.49) v4(146.68,47.41) v4(146.68,44.37) v4(146.68,42.33) v4(146.81,40.05) v4(147.19,16.3) v4(147.57,38.91) v4(149.48,38.12) v4(150.75,38.14) v4(150.75,16.43) v4(151.51,26.59) v4(151.51,24.68) v4(151.51,22.14) v4(151.51,19.6) v4(152.14,38.17) v4(152.27,29) v4(153.79,38.14) v4(154.43,29.89) v4(154.56,31.16) v4(155.19,38.11) v4(155.32,31.16) v4(156.21,31.16) v4(156.33,38.14) v4(157.1,30.14) v4(157.5,36.49) v4(157.48,31.67) v5(5.33,19.09) v5(6.22,19.09) v5(7.24,19.09) v5(8.25,19.09) v5(9.39,19.09) v5(33.25,28.52) v5(33.25,27.6) v5(34.07,28.53) v5(34.93,28.53) v5(35.75,28.53) v5(53.46,21.46) v5(53.46,20.59) v5(53.46,19.7) v5(72.64,21.46) v5(72.64,20.64) v5(80.45,27.24) v5(80.45,26.38) v5(81.07,28.11) v5(81.96,28.11) v5(82.85,28.11) v5(94.71,13.09) v5(97.79,13.12) v5(100.2,21.51) v5(100.2,20.69) v5(100.2,19.88) v5(100.2,19.04) v5(110.72,14.65) v5(111.6,14.65) v5(112.49,14.65) v5(134.36,4.62) v5(135.25,4.62) v5(136.14,4.62) v5(137.03,4.62) v5(139.19,4.36) v6(14.88,11.8) v6(15.39,12.31) v6(15.38,11.29) v6(15.89,11.8) v6(45.08,22.57) v6(45.59,23.08) v6(45.59,22.07) v6(46.1,22.57) v6(92.25,22.07) v6(92.76,22.57) v6(92.76,21.56) v6(93.27,22.07) v7(93.21,37.13) v7(93.72,37.69) v7(93.72,36.62) v7(94.23,37.13)
